# Altium PCB Archimajor.PcbDoc (part 3 of 12) (continued)
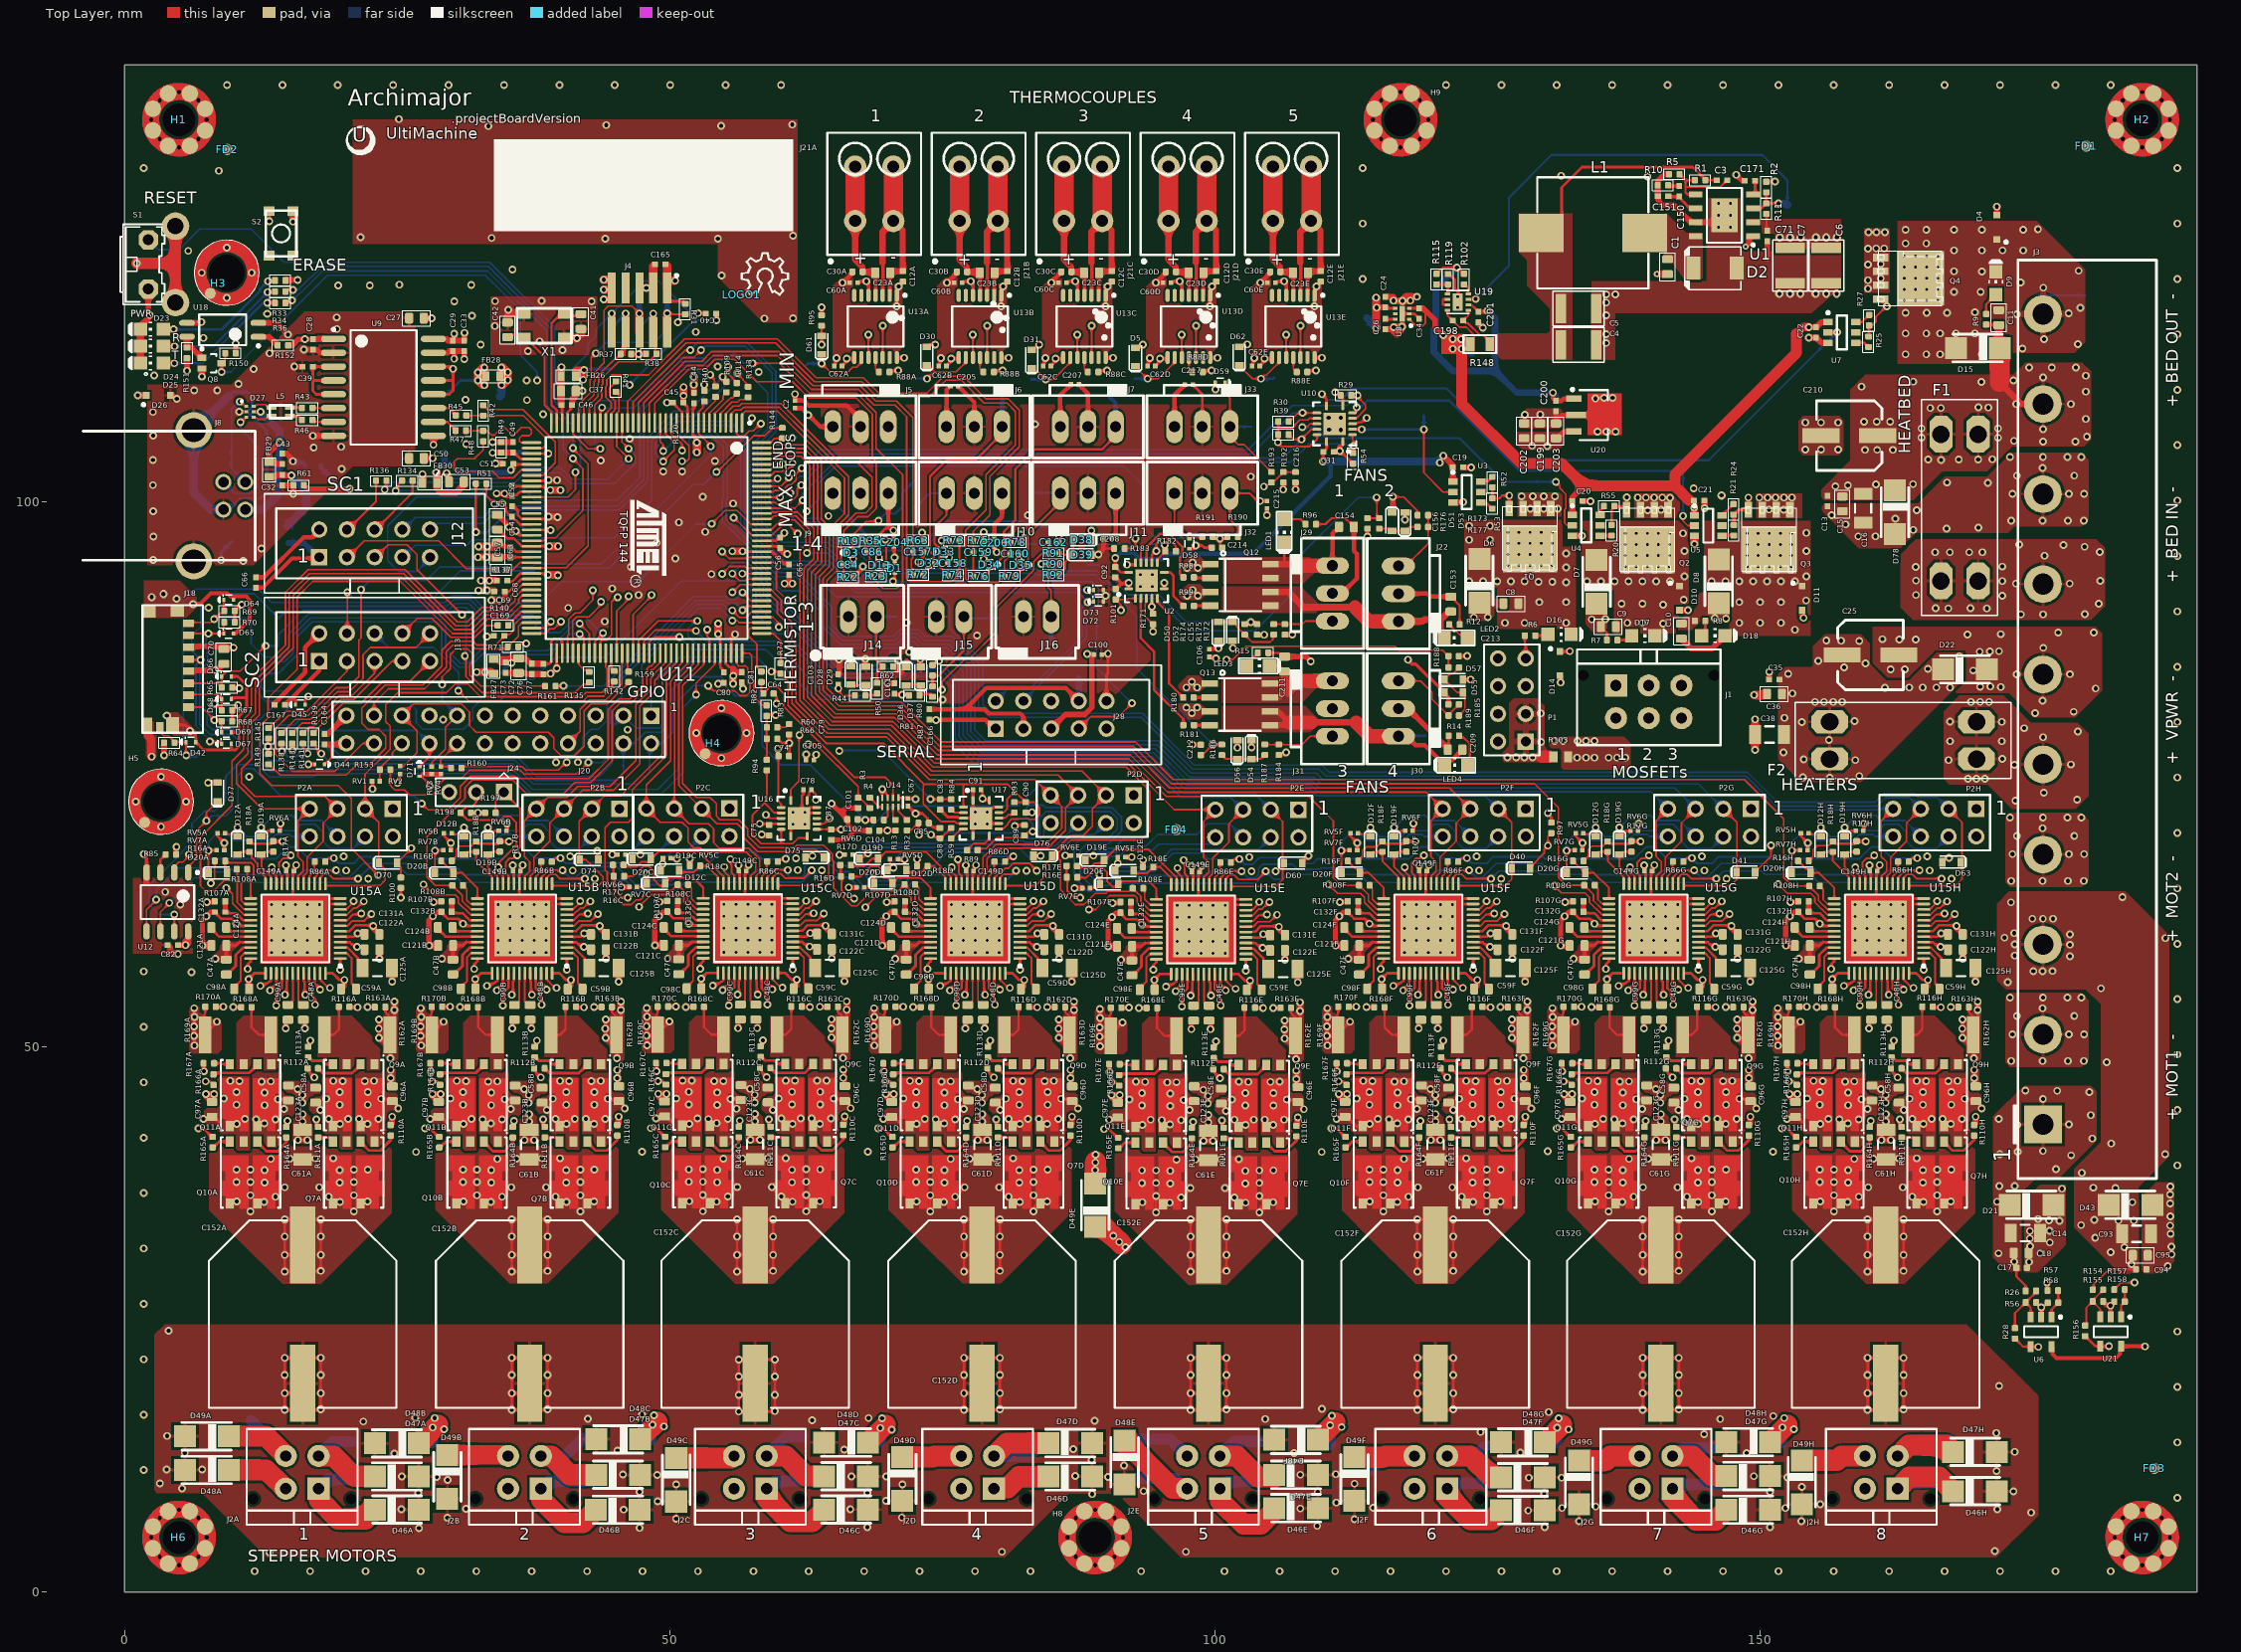
[diagram p0: Top Layer view]
## Part data (continued)
R148: library part "0.01R 1% 0805", "RES 0.01 OHM 1% 1/2W 0805", Manufacturer=Susumu, MANUFACTURER #=KRL1220E-M-R010-F-T5, TOLERANCE=1%, DISTRIBUTOR=Digikey, DISTRIBUTOR #=408-1544-2-ND, EE_SPEC=0.5W, PART=KRL1220E-M-R010-F-T5, PART DESCRIPTION="10 mOhms ±1% 0.5W, 1/2W Chip Resistor 0805 (2012 Metric) Automotive AEC-Q200, Current Sense Metal Foil"
R162A R162B R162C R162D R162E R162F R162G R162H: library part "0.1R 1% 1206", "RES 0.05 OHM 1% 2W 2512", Manufacturer=Stackpole, MANUFACTURER #=CSRN2512FK50L0, TOLERANCE="+/- 1%", EE_SPEC="0.05R 1% 2512", PART=CSRN2512FK50L0, PART DESCRIPTION="50 mOhms ±1% 2W Chip Resistor 2512 (6432 Metric) Current Sense Thick Film"
R169A R169B R169C R169D R169E R169F R169G R169H: library part "0.05R 1% 2512", "RES 0.05 OHM 1% 2W 2512", Manufacturer=Stackpole, MANUFACTURER #=CSRN2512FK50L0, TOLERANCE="+/- 1%", EE_SPEC="0.05R 1% 2512", PART=CSRN2512FK50L0, PART DESCRIPTION="50 mOhms ±1% 2W Chip Resistor 2512 (6432 Metric) Current Sense Thick Film"
R172 R173 R184 R185: library part RC0402FR-071K8L, "RES SMD 1.8K OHM 1% 1/16W 0402", Manufacturer=Yageo, TOLERANCE="+/- 1%", DISTRIBUTOR=Digi-Key, DISTRIBUTOR #=311-1.80KLRTR-ND, EE_SPEC="1.8k 1% 0402", MANUFACTURER #=RC0402FR-071K8L, PART=RC0402FR-071K8L, PART DESCRIPTION="1.8k Ohm ±1% 0.063W, 1/16W Chip Resistor 0402 (1005 Metric) Moisture Resistant Thick Film"
R174 R175 R176 R177 R186 R187 R188 R189: library part RC0402FR-071KL, "RES SMD 1K OHM 1% 1/16W 0402", Manufacturer=Yageo, TOLERANCE="+/- 1%", DISTRIBUTOR=Digi-Key, DISTRIBUTOR #=311-1.00KLRTR-ND, EE_SPEC="1k 1% 0402", MANUFACTURER #=RC0402FR-071KL, PART=RC0402FR-071KL, PART DESCRIPTION="1k Ohm ±1% 0.063W, 1/16W Chip Resistor 0402 (1005 Metric) Moisture Resistant Thick Film"
RV1 RV2 RV3 RV4 RV5A RV5B RV5C RV5D RV5E RV5F RV5G RV5H RV6A RV6B RV6C RV6D RV6E RV6F RV6G RV6H RV7A RV7B RV7C RV7D RV7E RV7F RV7G RV7H: "VARISTOR 6.8V 10A 0201", Manufacturer=TDK, TOLERANCE=-NA-, EE_SPEC="3.5Vso 100pF", MANUFACTURER #=AVRM0603C6R8NT101N, PART=AVRM0603C6R8NT101N, PART DESCRIPTION="VARISTOR 6.8V 10A 0201"
S1: "SWTCH Momentary Washable", Manufacturer=TE, TOLERANCE=-NA-, DISTRIBUTOR=Mouser, DISTRIBUTOR #=506-1571610-2, EE_SPEC=24V, MANUFACTURER #=1571610-2, PART=1571610-2, PART DESCRIPTION="Tactile Switches R/A SEALED TACT SWITCH"
S2: "SWITCH TACTILE SPST-NO 0.05A 12V", Manufacturer=C&K, TOLERANCE=-NA-, DISTRIBUTOR="Digi-Key Electronics", DISTRIBUTOR #=CKN10688TR-ND, EE_SPEC="32V 50mA", MANUFACTURER #="KMR741NG ULC LFS", PART="KMR741NG ULC LFS", PART DESCRIPTION="Tactile Switch SPST-NO Top Actuated Surface Mount"
TP1 TP2 TP4 TP7 TP8 TP17 TP18 TP69: "Test Point"
TP3A TP3B TP3C TP3D TP3E TP3F TP3G TP3H TP5 TP6 TP9 TP10 TP11A TP11B TP11C TP11D TP11E TP12A TP12B TP12C TP12D TP12E TP12F TP12G TP12H TP13 TP14 TP15 TP16 TP19 TP20 TP21 TP22 TP23A TP23B TP23C TP23D TP23E TP24A TP24B TP24C TP24D TP24E TP25 TP26 TP27 TP29 TP30 TP31 TP32 TP33 TP34A TP34B TP34C TP34D TP34E TP34F TP34G TP34H TP35 TP36 TP37 TP38 TP39 TP40 TP41A TP41B TP41C TP41D TP41E TP41F TP41G TP41H TP43 TP44 TP46 TP47 TP48 TP49 TP50 TP51 TP52 TP53 TP54 TP55 TP56 TP58 TP59 TP60 TP61 TP62 TP63 TP64 TP65 TP66 TP67 TP74 TP75 TP76 TP77 TP78 TP79 TP80 TP81 TP82 TP101 TP106 TP107 TP108 TP128 TP129 TP130 TP131: library part Socket, "Socket", MANUFACTURER #=NOTAPART-Testpoint, PART=NOTAPART-Testpoint
U1: "IC REG BUCK ADJ 5A 8SOPWRPAD", Manufacturer=TI, MANUFACTURER #=TPS54531DDAR, DISTRIBUTOR=Digikey, DISTRIBUTOR #=296-40801-2-ND, EE_SPEC="28Vin_max, 5A, 570kHz", PART=TPS54531DDAR, PART DESCRIPTION="Buck Switching Regulator IC Positive Adjustable 0.8V 1 Output 5A 8-PowerSOIC (0.154\", 3.90mm Width)"
U2 U10: library part SN74AHCT125, "Quadruple Bus Buffer Gates With 3-State Outputs 14-VQFN -40 to 125", Manufacturer="Texas Instruments", TOLERANCE=-NA-, DISTRIBUTOR #=296-13910-2-ND, EE_SPEC="5V 8mA", MANUFACTURER #=SN74AHCT125RGYR, PART=SN74AHCT125RGYR, PART DESCRIPTION="Buffer, Non-Inverting 4 Element 1 Bit per Element Push-Pull Output 14-VQFN (3.5x3.5)"
  U2: DISTRIBUTOR=Digikey
  U10: DISTRIBUTOR="Digi-Key Electronics"
U3 U4 U5 U7: "MOSFET DRVR 3A 1-OUT High Speed Non-Inv6-Pin SOT-26 T/R", Manufacturer="Diodes Incorporated", MANUFACTURER #=ZXGD3009E6TA, TOLERANCE=-NA-, DISTRIBUTOR="Digi-Key Electronics", DISTRIBUTOR #=ZXGD3009E6TADITR-ND, EE_SPEC="40V 2A", PART=ZXGD3009E6TA, PART DESCRIPTION="Low-Side Gate Driver IC Non-Inverting SOT-26"
U6 U21: "IC QUAD DIFF COMPARATOR 14 -SOIC", Manufacturer="TEXAS INSTRUMENTS", MANUFACTURER #=AP331AWG-7, DISTRIBUTOR=DIGI-KEY, DISTRIBUTOR #=AP331AWGDITR-ND, PART=AP331AWG-7
U8: "LDO 3.3V 500mA - low ESR Cout", Manufacturer=Microchip, TOLERANCE=-NA-, DISTRIBUTOR="Digi-Key Electronics", DISTRIBUTOR #=576-3680-2-ND, EE_SPEC=500mA, MANUFACTURER #=MIC5353-3.3YMT-TR, PART=MIC5353-3.3YMT-TR, PART DESCRIPTION="Linear Voltage Regulator IC Positive Fixed 1 Output 3.3V 500mA 6-TMLF® (1.6x1.6)"
U9: library part ADuM4160, "USB Opto Isolator", Manufacturer="Analog Devices", MANUFACTURER #=ADUM3160BRWZ-RL, TOLERANCE=-NA-, DISTRIBUTOR="Digi-Key Electronics", DISTRIBUTOR #=ADUM3160BRWZ-RLTR-ND, EE_SPEC="2500V ISO", PART=ADUM3160BRWZ-RL, PART DESCRIPTION="USB Digital Isolator 2500Vrms 2 Channel 12Mbps 25kV/µs CMTI 16-SOIC (0.295\", 7.50mm Width)"
U11: library part ATML-ATSAM3X-LQFP-144, "Atmel", TOLERANCE=-NA-, DISTRIBUTOR="Digi-Key Electronics", DISTRIBUTOR #=ATSAM3X8EA-AU-ND, EE_SPEC=3.3V, Manufacturer=Atmel, MANUFACTURER #=ATSAM3X8EA-AU, PART=ATSAM3X8EA-AU, PART DESCRIPTION="ARM® Cortex®-M3 SAM3X Microcontroller IC 32-Bit 84MHz 512KB (512K x 8) FLASH 144-LQFP (20x20)"
U12: "IC FLASH 16M SPI 104MHZ 8SOIC", Manufacturer=Adesto, TOLERANCE=-NA-, EE_SPEC=3.3V, MANUFACTURER #=AT25SF161-SSHD-T, PART=AT25SF161-SSHD-T, PART DESCRIPTION="IC FLASH 16M SPI 104MHZ 8SOIC"
U13A U13B U13C U13D U13E: library part MAX31856, "IC CONV THERMOCOUPLE 14TSSOP", Manufacturer=Maxim, VOLTAGE=3.3V, MANUFACTURER #=MAX31856MUD, PART=MAX31856MUD
U14: "Clock Fanout Buffer (Distribution) IC 1:4  8-XFDFN", Manufacturer=Nexperia, MANUFACTURER #=74AVC9112GTX, TOLERANCE=-NA-, DISTRIBUTOR=Digikey, DISTRIBUTOR #=296-4708-2-ND, EE_SPEC="Clock Buffer 1:4 3.6V", PART=74AVC9112GTX, PART DESCRIPTION="Clock Fanout Buffer (Distribution) IC 1:4  8-XFDFN"
U15A U15B U15C U15D U15E U15F U15G U15H: "IC STEPPER MOTOR DVR TQFP48-EP", Manufacturer=Trinamic, EE_SPEC="60V 1/256 Step", MANUFACTURER #=TMC5160-TA, PART DESCRIPTION="IC STEPPER MOTOR DVR TQFP48-EP"
U16 U17: "IC BUS BUFF TRI-ST QD 14VQFN", Manufacturer=TI, MANUFACTURER #=SN74LVC125ARGYR, TOLERANCE=-NA-, DISTRIBUTOR=Digikey, DISTRIBUTOR #=296-13961-2-ND, EE_SPEC="1.65-3.6Vcc, 5V tolerant inputs", PART=SN74LVC125ARGYR, PART DESCRIPTION="Buffer, Non-Inverting 4 Element 1 Bit per Element Push-Pull Output 14-VQFN (3.5x3.5)"
U18: library part "OPTO SO-4 OPNDRN OUT", "Optoisolator Transistor Output 3750Vrms 1 Channel 4-SO", Manufacturer=TOSHIBA, MANUFACTURER #=TLP293(TPL,E, TOLERANCE=-NA-, DISTRIBUTOR="Digi-Key Electronics", DISTRIBUTOR #=TLP293(TPLETR-ND, EE_SPEC="3.75kV Isolation", PART=TLP293(TPL,E, PART DESCRIPTION="Optoisolator Transistor Output 3750Vrms 1 Channel 4-SO"
U19: library part INA381_ALT, "IC COMPARATOR BIDIR 8WSON", Manufacturer=TI, TOLERANCE=-NA-, DISTRIBUTOR=Digikey, DISTRIBUTOR #=296-49078-2-ND, EE_SPEC="Vcc 2.7-5.5V; Vcm 26V", MANUFACTURER #=INA381A2IDSGR, PART=INA381A2IDSGR
U20: "IC REG LINEAR 5V 100MA SOT89-3", Manufacturer=ST, MANUFACTURER #=L78L05ABUTR, TOLERANCE=-NA-, DISTRIBUTOR=Digikey, DISTRIBUTOR #=497-1181-2-ND, EE_SPEC="Vin 30V, Iout 0.1A", PART=L78L05ABUTR, PART DESCRIPTION="Linear Voltage Regulator IC Positive Fixed 1 Output 5V 100mA SOT-89-3"
X1: library part 405C35B12M00000, "Crystal 12MHz ±30ppm (Tol) ±50ppm (Stability) 13pF FUND 50Ohm", Manufacturer=CTS, TOLERANCE="+/- 30ppm", DISTRIBUTOR="Digi-Key Electronics", DISTRIBUTOR #=CTX639TR-ND, EE_SPEC=-NA-, MANUFACTURER #=405C35B12M00000, PART=405C35B12M00000, PART DESCRIPTION="12MHz ±30ppm Crystal 13pF 60 Ohm -20°C ~ 70°C Surface Mount 4-SMD, No Lead (DFN, LCC)"

## Via types
v1: diameter 0.711, hole 0.381, Top Layer to Bottom Layer, tented both sides, 2418 vias
v2: diameter 0.559, hole 0.254, Top Layer to Bottom Layer, 302 vias
v3: diameter 0.711, hole 0.381, Top Layer to Bottom Layer, 113 vias
v4: diameter 0.737, hole 0.381, Top Layer to Bottom Layer, tented both sides, 16 vias
v5: diameter 0.762, hole 0.381, Top Layer to Bottom Layer, 16 vias

## Nets (pads, with @x,y where several pads share a name; then routed paths per layer and width w, separated by ;. In a path a pad name is that pad's centre, name@x,y a point inside that pad or via, vN(x,y) a via of type N, cw(c..) or ccw(c..) an arc to the next point about the centre after c; other vN are vias at no path point)
3.3VCC: C2.2 C24.1 C29.1 C33.1 C54.1 C57.2 C60A.2 C60B.2 C60C.2 C60D.2 C60E.2 C62A.2 C62B.2 C62C.2 C62D.2 C62E.2 C63.1 C67.2 C70.2 C78.2 C82.1 C91.2 C100.2 C105.2 C106.2 C149A.2 C149B.2 C149C.2 C149D.2 C149E.2 C149F.2 C149G.2 C149H.2 C164.1 C165.2 C204.2 C205.2 C206.2 C207.2 C208.2 C215.2 C217.2 D28.K D36.K D38.K D44.K D50.K D51.K D54.K D55.K FB27.1 FB28.2 FB30.1 J4.1 J5.3 J6.3 J7.3 J9.3 J10.3 J11.3 J18.4 J20.24 J28.5 J32.3 J33.3 R16A.2 R16B.2 R16C.2 R16D.2 R16E.2 R16F.2 R16G.2 R16H.2 R17A.1 R17B.1 R17C.1 R17D.1 R17E.1 R17F.1 R17G.1 R17H.1 R18A.2 R18B.2 R18C.2 R18D.2 R18E.2 R18F.2 R18G.2 R18H.2 R22.2 R31.2 R33.2 R35.2 R37.2 R38.2 R51.2 R62.2 R63.2 R64.2 R65.1 R67.2 R68.2 R69.1 R70.1 R73.2 R75.2 R78.2 R80.2 R85.2 R90.2 R95.1 R97.1 R100.1 R172.2 R173.2 R184.2 R185.2 R190.2 R192.2 R197.2 R198.2 S2.1 TP47.1 TP129.1 U8.4 U9.12 U9.13 U9.14 U9.16 U11.52 U11.57 U12.8 U13A.5 U13A.8 U13B.5 U13B.8 U13C.5 U13C.8 U13D.5 U13D.8 U13E.5 U13E.8 U14.1 U15A.20 U15B.20 U15C.20 U15D.20 U15E.20 U15F.20 U15G.20 U15H.20 U16.14 U17.14 | length 231.8
  Top Layer w0.152: v1(7.929,64.977) 7.929,65.075 8.274,65.42 8.274,67.034 R16A.2@8.272,67.035 ; R16B.2@30.013,67.035 30.013,67.042 30.235,67.264 30.241,67.264 30.414,67.437 30.414,68.067 30.723,68.376 31.78,68.376 32.009,68.604 32.009,68.611 32.231,68.833 R18B.2@32.237,68.833 ; R16F.2@113.113,67.035 113.113,67.068 113.514,67.47 113.514,67.973 113.868,68.326 114.83,68.326 115.109,68.604 115.109,68.611 115.331,68.833 R18F.2@115.337,68.833 ; v1(116.293,100.409) 117.293,100.409 118.524,99.179 118.524,98.771 R173.2@118.56,98.734 ; R16G.2@133.763,67.035 133.763,67.042 133.985,67.264 133.991,67.264 134.198,67.471 134.198,68.051 134.548,68.401 135.556,68.401 135.759,68.604 135.759,68.611 135.981,68.833 R18G.2@135.988,68.833 ; R16H.2@154.413,67.035 154.413,67.042 154.635,67.264 154.642,67.264 154.823,67.445 154.823,68.026 155.223,68.426 156.231,68.426 156.409,68.604 156.409,68.611 156.632,68.833 R18H.2@156.638,68.833
  Top Layer w0.178: v1(25.343,63.659) R100.1@25.343,64.554 ; R17C.1@44.827,66.682 44.827,65.656 R16C.2@44.85,65.633 ; R16C.2@44.91,65.633 44.91,64.366 45.6,63.676 v1(46.148,63.676) ; v1@51.825,67.177 51.843,67.194 v1(51.843,67.219) ; U16.14@62.593,72.565 62.593,72.853 62.644,72.904 62.644,72.948 62.77,73.074 62.77,73.361 C78.2@62.968,73.559 63.393,73.134 v1@63.393,72.634 ; R17D.1@65.67,66.658 65.67,65.631 R16D.2@65.692,65.608 ; R16D.2@65.752,65.608 65.752,64.342 66.522,63.572 v1(66.901,63.572) ; U14.1@70.968,72.817 71.785,72.817 C67.2@71.843,72.759 72.499,72.759 v1(72.549,72.709) ; v1@72.667,67.152 72.685,67.17 v1(72.685,67.195) ; C91.2@78.518,73.559 78.639,73.438 78.639,73.362 78.667,73.334 v1(78.667,72.734) 78.827,72.734 78.971,72.591 U17.14@79.3,72.591 ; R17E.1@86.377,66.582 86.377,65.556 R16E.2@86.4,65.533 ; R16E.2@86.46,65.533 86.46,64.266 87.05,63.676 v1(87.623,63.676) ; v1@93.375,67.077 93.393,67.094 v1(93.393,67.119)
  Top Layer w0.203: R65.1@9.878,82.931 R65.1@9.954,82.855 ; R68.2@9.881,79.832 R67.2@9.881,80.848 10.338,81.306 v1(10.414,81.306) ; R70.1@10.107,88.926 R69.1@10.107,89.967 ; D44.K@18.347,75.886 18.972,76.511 18.972,77.72 ; R51.2@33.172,101.613 33.172,100.521 v1(33.934,99.759) ; v1(34.646,99.797) 34.646,99.767 34.98,99.433 34.98,99.129 35.027,99.083 35.027,99.005 C54.1@35.56,98.471 ; J4.1@49.759,119.579 49.759,119.301 J4.1@49.879,119.181 ; R190.2@102.072,96.756 102.072,97.631 101.355,98.347 J32.3@101.355,100.75 103.152,100.75 103.86,100.042 C215.2@104.743,100.042
  Top Layer w0.229: R18A.2@11.462,68.833 11.695,68.6 13.405,68.6 13.637,68.833 13.648,68.822 v1(14.478,68.822) ; v1(14.82,66.629) 14.837,66.613 C149A.2@14.837,66.1 ; U15A.20@14.932,64.935 C149A.2@14.932,66.18 ; R18B.2@32.237,68.833 32.47,68.6 34.18,68.6 34.412,68.833 34.423,68.822 v1(35.253,68.822) ; C63.1@35.397,95.891 35.901,95.388 U11.57@37.329,95.388 ; C54.1@35.535,98.573 35.839,98.268 35.896,98.268 36.277,97.888 U11.52@37.329,97.888 ; v1(35.595,66.629) 35.612,66.613 C149B.2@35.612,66.1 ; U15B.20@35.707,64.935 C149B.2@35.707,66.18 ; R16C.2@44.85,65.633 R16C.2@44.89,65.593 ; v1(56.303,66.654) 56.32,66.637 C149C.2@56.32,66.125 ; U15C.20@56.415,64.96 C149C.2@56.415,66.205 ; R16D.2@65.692,65.608 R16D.2@65.732,65.569 ; v1(77.145,66.629) 77.162,66.613 C149D.2@77.162,66.1 ; U15D.20@77.257,64.935 C149D.2@77.257,66.18 ; R16E.2@86.4,65.533 R16E.2@86.44,65.493 ; v1(97.853,66.554) 97.87,66.537 C149E.2@97.87,66.025 ; U15E.20@97.965,64.86 C149E.2@97.965,66.105 ; R18F.2@115.337,68.833 115.57,68.6 117.28,68.6 117.512,68.833 117.523,68.822 v1(118.353,68.822) ; v1(118.695,66.629) 118.712,66.613 C149F.2@118.712,66.1 ; U15F.20@118.807,64.935 C149F.2@118.807,66.18 ; R18G.2@135.988,68.833 136.22,68.6 137.93,68.6 138.163,68.833 138.174,68.822 v1(139.003,68.822) ; v1(139.346,66.629) 139.363,66.613 C149G.2@139.363,66.1 ; U15G.20@139.458,64.935 C149G.2@139.458,66.18 ; R18H.2@156.638,68.833 156.87,68.6 158.58,68.6 158.813,68.833 158.824,68.822 v1(159.653,68.822) ; v1(159.996,66.629) 160.013,66.613 C149H.2@160.013,66.1 ; U15H.20@160.108,64.935 C149H.2@160.108,66.18
  Top Layer w0.254: R69.1@10.109,89.967 10.673,90.53 v1(10.74,90.53) ; U9.12@28.324,109.818 29.778,109.818 30.121,110.16 30.121,111.055 ; U9.13@28.324,111.088 30.088,111.088 30.121,111.055 ; U9.14@28.324,112.358 29.924,112.358 v1(30.121,112.161) 30.121,111.055 ; R198.2@31.782,71.44 v1(32.4,71.44) R197.2@33.067,71.44 ; U11.57@37.329,95.388 U11.57@37.555,95.388 ; J4.1@49.621,118.346 51.198,118.346 R31.2@51.423,118.121 ; R95.1@63.915,117.064 v1(63.915,117.784) ; C62A.2@65.79,112.409 66.215,112.834 v1(66.215,113.084) 66.81,113.084 U13A.8@66.915,113.189 ; C60A.2@67.208,120.052 67.335,120.179 v1(68.021,120.179) 68.215,119.985 U13A.5@68.215,118.889 ; R35.2@68.897,96.396 69.049,96.549 69.049,96.788 69.535,97.274 69.542,97.274 70.028,97.76 ; C62B.2@75.366,112.409 75.791,112.834 v1(75.791,113.084) 76.386,113.084 U13B.8@76.491,113.189 ; C60B.2@76.784,120.052 76.911,120.179 v1(77.597,120.179) 77.791,119.985 U13B.5@77.791,118.889 ; C62C.2@84.941,112.409 85.366,112.834 v1(85.366,113.084) 85.962,113.084 U13C.8@86.066,113.189 ; C60C.2@86.36,120.052 86.487,120.179 v1(87.173,120.179) 87.366,119.985 U13C.5@87.366,118.889 ; C62D.2@94.517,112.409 94.942,112.834 v1(94.942,113.084) 95.538,113.084 U13D.8@95.642,113.189 ; C60D.2@95.936,120.052 96.063,120.179 v1(96.748,120.179) 96.942,119.985 U13D.5@96.942,118.889 ; C62E.2@104.093,112.409 104.518,112.834 v1(104.518,113.084) 105.113,113.084 U13E.8@105.218,113.189 ; C60E.2@105.511,120.052 105.638,120.179 v1(106.324,120.179) 106.518,119.985 U13E.5@106.518,118.889 ; v1(106.243,101.084) 106.255,101.097 106.255,101.689 106.243,101.702 R192.2@106.268,101.727 ; C24.1@115.617,117.806 115.718,117.705 U8.4@116.502,117.705 ; v1(130.518,71.409) 130.518,71.359 130.818,71.059 R97.1@130.818,70.539
  Top Layer w0.305: C105.2@63.193,76.259 63.202,76.269 63.202,76.419 63.381,76.597 63.381,76.785 v1(63.416,76.785) ; R80.2@74.082,84.989 74.209,85.116 74.289,85.116 74.558,85.384 v3(74.668,85.384) ; v3@74.964,96.525 74.931,96.492 v3(74.931,96.407) 75.51,96.407 75.557,96.454 R73.2@75.589,96.421 ; C106.2@99.468,86.434 99.518,86.484 100.243,86.484 v1(100.293,86.534) ; v1(103.331,77.447) D54.K@103.331,78.084 ; R184.2@105.831,76.74 105.888,76.797 106.33,76.797 v1(106.518,76.984) ; v1(117.668,85.484) 118.068,85.084 118.39,85.084 120.742,82.732 120.87,82.732 121.018,82.584 D55.K@121.018,82.484 121.018,82.384 121.165,82.237 121.211,82.237 121.389,82.058 R185.2@121.389,81.384
  Top Layer w0.381: C57.2@34.188,96.254 34.552,95.891 C63.1@35.397,95.891 ; R22.2@66.821,93.054 66.838,93.054 67.693,93.909 v1(67.693,94.034) ; R62.2@70.476,84.95 71.135,84.291 71.343,84.291 70.928,84.706 v3(70.928,85.404) ; D36.K@71.717,84.861 71.717,85.429 ; R75.2@78.784,96.412 v3(78.784,97.192) ; v1(82.179,96.956) 82.179,96.261 R78.2@82.182,96.258
  Top Layer w0.406: R85.2@4.739,67.62 4.751,67.632 4.751,68.297 v1(4.763,68.309) ; R65.1@9.954,82.855 v3(10.516,82.855) ; R18C.2@51.825,66.584 v1@51.825,67.177 ; C2.2@61.471,108.552 62.1,108.552 63.807,106.846 J5.3@64.948,106.846 ; J9.3@70.028,100.75 70.028,97.76 70.557,97.231 C204.2@70.557,96.581 ; R18D.2@72.667,66.56 v1@72.667,67.152 ; v3(73.118,97.134) 73.238,97.134 73.251,97.122 R63.2@73.251,96.429 ; J6.3@75.374,106.846 75.374,110.231 C205.2@75.725,110.581 ; C206.2@79.757,96.531 79.757,97.881 80.454,98.579 J10.3@80.454,100.75 J10.3@80.382,100.677 ; v1(84.057,94.256) R90.2@84.694,94.256 ; J7.3@85.801,106.846 85.801,109.732 C207.2@86.8,110.731 ; D38.K@88.657,96.456 v1(88.657,97.306) ; C208.2@90.475,96.61 90.881,97.016 J11.3@90.881,100.75 ; R18E.2@93.375,66.484 v1@93.375,67.077 ; J33.3@96.275,106.846 96.275,109.741 C217.2@97.243,110.709
  Top Layer w0.508: R64.2@3.633,77.881 3.633,76.737 v1(3.65,76.72) ; C82.1@4.931,59.316 v1@5.592,59.316 ; v1(5.592,59.314) v1@5.592,59.316 ; v1@5.842,59.476 v1@5.668,59.651 ; J18.4@5.89,84.426 5.971,84.507 v3@8.432,84.507 ; v3(8.306,84.531) 8.408,84.531 v3@8.432,84.507 ; C70.2@8.966,85.014 v3@8.46,84.507 ; R33.2@14.766,120.254 14.817,120.306 v1(15.878,120.306) ; v1(15.459,125.649) S2.1@15.459,126.618 ; C164.1@18.339,77.72 18.972,77.72 20.251,77.72 J20.24@20.345,77.814 ; U9.16@28.324,114.898 29.556,114.898 29.556,114.845 29.661,114.74 C29.1@30.127,114.74 ; C29.1@30.124,114.738 C29.1@30.127,114.74 ; v1(30.235,115.376) 30.235,114.848 C29.1@30.127,114.74 ; v1(31.174,115.453) 31.174,114.741 C33.1@31.175,114.74 C29.1@30.127,114.74 ; v1(33.934,99.759) 33.972,99.797 v1(34.646,99.797) ; R37.2@46.726,113.5 47.724,113.5 R38.2@47.747,113.524 ; v1@47.168,113.394 v1(47.168,113.497) ; C165.2@49.607,121.741 C165.2@49.759,121.59 ; D28.K@66.663,84.892 v3@66.663,85.515 ; J28.5@84.957,79.156 86.29,80.489 88.075,80.489 88.704,81.118 88.704,85.765 C100.2@88.883,85.943 ; v1(88.259,86.014) 88.27,86.003 88.823,86.003 C100.2@88.883,85.943 ; C100.2@88.899,85.959 C100.2@88.883,85.943 ; v1(100.293,86.534) D50.K@100.293,87.234 ; R172.2@106.393,87.777 v1(107.075,87.777) ; v1(114.805,117.773) 114.838,117.806 C24.1@115.617,117.806 ; D51.K@116.218,98.984 116.247,98.984 116.293,99.03 v1(116.293,100.409) ; v1@5.592,59.316 5.683,59.316 5.607,59.391 5.668,59.452 v1@5.668,59.651 ; v1@5.592,59.316 5.592,59.696 5.607,59.711 ; 5.607,59.711 5.668,59.771 v1@5.668,59.651 ; 5.607,59.711 v1@5.668,59.651 ; v3@8.432,84.507 v3@8.46,84.507 ; v3@8.432,84.507 8.446,84.494 v3@8.46,84.507
  Top Layer w0.559: U9.13@28.324,111.088 U9.13@28.349,111.062
  Top Layer w0.584: U12.8@5.839,60.567 U12.8@5.842,60.571 v1@5.842,59.476
  Top Layer w0.711: v1(27.328,102.502) 27.328,101.696 FB30.1@27.332,101.691 ; v1(32.301,84.34) v1@32.915,84.34 ; v1@32.487,95.848 v1(33.249,95.848) 33.782,95.848 ; v1(33.013,110.652) v1@32.988,110.678 ; J4.1@49.759,120.245 49.765,120.251 49.79,120.226 v1(50.487,120.226) ; v1(114.772,118.685) v1@114.772,117.74 ; v1(114.805,117.773) v1@114.772,117.74 ; v1@32.988,110.678 v1(32.988,112.278) 32.861,112.278 v1(32.404,111.821) v1(32.404,111.084) 32.81,110.678 v1@32.988,110.678 ; v1@114.772,117.74 114.772,115.848 114.767,115.852 v1(114.767,115.894) 114.767,117.736 v1@114.772,117.74
  Top Layer w0.762: v1@32.915,84.34 32.916,84.341 v1(33.077,84.341) 33.605,84.341 FB27.1@33.704,84.242 ; 33.782,95.848 C57.2@34.188,96.254 ; J4.1@49.758,120.246 49.758,121.46 ; J4.1@49.759,119.579 J4.1@49.759,120.245 ; 49.759,121.461 C165.2@49.759,121.59
  Mid1 w0.152: v1@7.855,65.051 v1(7.929,64.977)
  Mid1 w0.178: v1(78.667,72.734) 78.669,72.734 v1@78.768,72.635
  Mid1 w0.229: v1(14.82,66.629) v1@14.862,66.671 ; v1(35.595,66.629) v1@35.637,66.671 ; v1(56.303,66.654) v1@56.345,66.696 ; v1(77.145,66.629) v1@77.187,66.671 ; v1(97.853,66.554) v1@97.895,66.596 ; v1(118.695,66.629) v1@118.737,66.671 ; v1(139.346,66.629) v1@139.388,66.671 ; v1(159.996,66.629) v1@160.038,66.671
  Mid1 w0.305: v1@63.391,76.809 v1(63.416,76.785)
  Mid1 w0.508: v1@88.248,86.014 v1(88.259,86.014)
  Bottom Layer w0.254: TP129.1@29.337,109.601 30.82,111.084 v1(32.404,111.084)
  Bottom Layer w0.711: TP47.1@113.929,116.808 114.767,115.97 v1(114.767,115.894)
  other v1: 63.391,72.634 32.461,95.848 70.505,97.338 104.118,100.034 62.69,107.912
  other v3: 66.643,85.509 71.954,86.179
3.3VIO: C40.2 C45.1 C56.1 C69.1 C81.1 FB28.1 R40.1 R71.1 TP128.1 U11.11 U11.62 U11.105 U11.125 | length 33.3
  Top Layer w0.203: R71.1@36.092,86.656 36.417,86.981 v1(36.832,86.981) ; v1@51.25,109.683 v1(51.257,109.691) ; C40.2@54.238,117.235 54.278,117.194 v1(54.278,116.601)
  Top Layer w0.229: C69.1@35.006,91.715 35.247,91.715 36.42,92.888 U11.62@37.329,92.888 ; C45.1@51.333,108.929 51.629,108.633 U11.11@51.629,107.188 ; U11.105@55.129,86.088 55.129,85.099 55.327,84.901 55.347,84.901 55.437,84.811 55.84,84.811 56.234,84.418 ; 55.785,84.644 55.825,84.684 ; U11.125@58.429,95.888 C56.1@60.156,95.888
  Top Layer w0.508: v1@33.928,90.936 34.581,90.936 34.905,91.26 C69.1@34.905,91.57 ; C45.1@51.25,109.144 v1@51.25,109.683 ; v1(53.155,110.708) 53.155,110.164 R40.1@53.188,110.132 ; v1@55.783,83.912 55.783,83.941 v1@55.785,83.943 ; 55.785,84.644 v1@55.785,83.943 ; v1(55.825,84.01) 55.825,83.983 v1@55.785,83.943 ; C81.1@56.591,84.359 56.201,84.359 v1@55.785,83.943 ; C56.1@60.124,95.721 60.261,95.583 60.261,95.501 60.598,95.164 v1(60.778,95.164)
  Top Layer w0.686: v1(55.8,83.285) v1@55.8,83.895
  Top Layer w0.711: v1(33.639,90.922) 34.354,90.922 v1(34.36,90.928) ; v1(34.569,110.656) v1@34.544,110.681 ; v1(51.257,109.691) v1(51.257,110.478) ; v1@55.825,83.954 v1(55.825,84.01) ; v1@34.544,110.681 v1(34.544,112.281) 34.722,112.281 v1(35.154,111.85) v1(35.154,111.113) 34.722,110.681 v1@34.544,110.681
  Bottom Layer w0.203: v1(46.314,110.672) 46.314,110.691 52.222,116.599 52.862,116.599 52.863,116.601 v1(54.278,116.601)
  Bottom Layer w0.711: TP128.1@34.417,109.601 34.569,109.754 v1(34.569,110.656)
5V0_AUX: C200.2 C201.2 R57.2 R102.2 R115.2 R157.2 TP7.TP U19.2 U20.1 | length 232.4
  Top Layer w0.152: U19.2@123.445,118.025 123.54,117.93 123.61,117.93 123.699,117.841 ; R157.2@182.435,27.732 182.435,27.755 183.047,28.367 v1@184.305,28.367
  Top Layer w0.203: R115.2@120.306,120.866 120.891,121.45 v3(122.161,121.45) 122.18,121.431 122.256,121.431 R102.2@122.821,120.866 ; U19.2@123.199,118.025 123.445,118.025 123.47,118.025 123.54,117.955 ; C201.2@124.129,117.386 C201.2@124.129,117.402 ; v1(176.281,28.372) 176.297,28.356 176.297,27.656 R57.2@176.314,27.639 ; C201.2@124.129,117.402 124.129,117.412 123.699,117.841 123.699,117.831 C201.2@124.129,117.402
  Top Layer w0.305: C201.2@124.129,117.386 124.891,117.386 v3(124.967,117.463)
  Top Layer w0.406: v1(130.975,109.969) 130.975,109.48 C200.2@131.224,109.231 131.783,109.231 131.958,109.406 U20.1@132.892,109.406
  Mid1 w0.203: v3(124.967,117.463) v3@125.218,117.463
  Mid1 w0.406: v3(122.161,121.45) v3@122.161,121.564
  Mid1 w0.61: v1(130.975,109.969) 127.193,113.751 127.193,120.114 124.38,122.927 124.38,128.712 128.144,132.476 147.302,132.476 150.503,129.276 150.503,128.976 150.631,128.848 150.631,126.909 151.225,126.315 153.048,126.315 155.891,129.158 175.893,129.158 185.159,119.892 185.159,29.226 v1(184.305,28.372) v1(176.281,28.372)
  Bottom Layer w0.406: v1(130.975,109.969) 130.975,109.902 131.664,109.213 TP7.TP@131.783,109.331
  Bottom Layer w0.61: v3(122.161,121.45) 120.228,119.518 120.228,115.917 120.052,115.741 120.052,113.694 121.796,111.95 125.657,111.95 ; v3(124.967,117.463) 125.657,116.773 125.657,111.95 ; v1(130.975,109.969) 127.638,109.969 125.657,111.95
+5VCC: C19.2 C20.2 C21.2 C22.1 C31.2 C34.1 C66.2 C92.2 C166.1 C167.2 C198.1 D45.K J12.1 J13.1 J28.3 J28.8 JP1.1 P2A.1 P2B.1 P2C.1 P2D.1 P2E.1 P2F.1 P2G.1 P2H.1 R148.2 R150.2 R151.2 TP4.TP TP36.1 U2.14 U3.1 U4.1 U5.1 U7.1 U8.1 U8.3 U10.14 U19.8 | length 482.7
  Top Layer w0.152: U19.8@121.299,117.525 121.299,117.049 C198.1@121.774,116.574 122.384,115.964 123.036,115.964 123.773,115.227 123.773,115.05 123.37,114.647 R148.2@123.37,114.416
  Top Layer w0.178: U8.1@117.802,116.705 118.385,116.122 119.046,116.122 119.275,116.351 119.275,117.24 118.809,117.705 118.8,117.715 C34.1@118.716,117.715 ; v3(122.545,114.866) v3@122.695,115.016
  Top Layer w0.203: 15.405,82.028 15.672,81.761 D45.K@15.672,81.361 ; v1(90.842,94.811) C92.2@90.843,93.984 90.863,93.984 91.04,93.807 91.04,93.787 91.339,93.488 U2.14@92.068,93.488 ; U4.1@132.742,98.751 U4.1@132.75,98.744
  Top Layer w0.254: v1(109.893,103.659) 109.893,104.539 C31.2@109.92,104.567 ; C31.2@109.965,104.567 110.211,104.812 U10.14@110.211,105.484 ; U8.3@117.802,117.705 118.707,117.705 C34.1@118.716,117.715
  Top Layer w0.305: U5.1@143.914,98.748 U5.1@143.935,98.727
  Top Layer w0.356: C66.2@12.04,92.096 12.708,92.096 13.03,92.419 13.03,92.449 15.362,94.781 J12.1@17.856,94.781
  Top Layer w0.381: R150.2@10.2,113.58 10.2,114.334 v3@10.24,114.374
  Top Layer w0.406: C167.2@14.708,81.331 15.405,82.028 17.856,84.479 J13.1@17.856,85.357 ; C166.1@73.794,80.935 77.068,80.935 ; J28.3@82.417,79.092 J28.3@82.417,79.156 82.417,80.259 82.137,80.54 79.268,80.54 78.873,80.935 77.068,80.935 ; J28.8@87.497,81.696 86.309,82.884 79.017,82.884 77.068,80.935
  Top Layer w0.508: R151.2@5.732,113.14 5.737,113.135 v3(5.737,111.976) ; C34.1@118.707,117.705 118.809,117.705 119.078,117.705 120.17,116.613 120.17,115.946 121.225,114.891 v4(121.77,114.891) ; v1(120.918,104.178) 121.767,103.329 121.767,103.115 121.771,103.111 C19.2@121.788,103.111 121.788,101.818 U3.1@121.795,101.811 ; U4.1@132.75,98.744 132.75,100.376 133.809,101.436 ; 143.426,100.118 143.719,100.118 143.744,100.093 143.91,100.093 C21.2@143.914,100.089 v1(143.914,99.403) U5.1@143.914,98.748 ; v1(154.421,115.977) C22.1@155.101,115.977 ; C22.1@155.104,115.973 155.574,116.443 U7.1@156.188,116.443
  Top Layer w0.762: 153.293,115.373 153.897,115.977 v1(154.421,115.977)
  Top Layer w1.016: v3(122.595,113.991) 122.595,108.967 128.095,103.467 131.778,103.467 133.809,101.436 142.129,101.436 142.801,100.763 142.801,100.743 143.426,100.118 ; 142.167,101.536 142.167,102.483 153.293,113.609 153.293,115.373
  Mid1 w0.178: 122.12,114.441 v3(122.545,114.866)
  Mid1 w0.203: v1(90.842,94.811) v1@90.842,94.909
  Mid1 w0.381: 10.203,113.651 v3(10.203,114.471)
  Mid1 w0.508: 10.09,113.574 10.096,113.58 10.106,113.59 ; 55.355,74.185 55.473,74.067 P2C.1@55.473,71.834
  Mid1 w0.61: 82.417,75.509 82.417,75.684 J28.3@82.417,79.156 ; J28.8@87.497,81.696 88.73,80.464 88.73,75.501 ; v3(122.595,113.991) 123.035,113.551
  Mid1 w0.66: P2A.1@24.605,71.81 25.975,73.18 25.975,75.87 ; P2B.1@45.38,71.81 45.38,74.14 45.425,74.185 ; P2E.1@107.638,71.734 107.638,73.286 108.937,74.584 ; 118.093,74.584 119.567,73.11 128.5,73.11 ; P2F.1@128.48,71.81 128.5,71.83 128.5,73.11 ; P2H.1@169.78,71.81 168.522,73.068 150.388,73.068 P2G.1@149.13,71.81 147.83,73.11 128.5,73.11
  Mid1 w0.762: v3(5.737,111.976) 5.737,112.017 7.3,113.58 10.096,113.58 10.931,113.58 14.358,117.007 14.358,120.572 15.096,121.31 26.25,121.31 29.175,118.385 29.175,105.645 29.25,105.57 29.25,105.01 30.75,103.51 30.75,94.46 29.217,92.927 19.787,92.927 19.71,92.927
  Mid1 w0.914: v3(121.77,113.991) v3(122.595,113.991) 122.595,114.816 v3(122.545,114.866) 121.795,114.866 v4(121.77,114.891) 121.77,114.777 v3(121.77,113.991)
  Mid1 w1.27: J13.1@17.856,85.357 16.18,87.034 16.18,89.32 19.787,92.927 ; J12.1@17.856,94.781 19.71,92.927
  Mid1 w1.524: v4@121.606,114.941 121.77,114.777 122.12,114.427
  Mid1 w1.626: v4@121.269,115.278 v4@121.483,115.064
  Mid1 w1.727: J13.1@17.856,85.357 11.6,79.101 11.6,76.935 14.075,74.46 18.375,74.46
  Mid1 w1.829: v4@121.483,115.064 v4@121.606,114.941
  Mid1 w2.032: 18.375,74.46 19.785,75.87 25.975,75.87 35.64,75.87 37.325,74.185 45.425,74.185 55.355,74.185 62.417,74.185 62.516,74.284 67.442,74.284 68.843,75.684 82.417,75.684 82.425,75.684
  Mid1 w3.048: 82.417,75.509 82.425,75.501 88.73,75.501 91.925,75.501 92.842,74.584 108.937,74.584 118.093,74.584 120.668,77.159 120.668,103.928 v1(120.918,104.178) 121.77,105.03 v3(121.77,113.991)
  Bottom Layer w0.406: v1(90.842,94.811) 91.301,95.269 92.565,95.269 93.136,94.699 95.257,94.699 95.743,95.184 103.443,95.184 110.568,102.309 110.568,103.659
  Bottom Layer w0.508: JP1.1@15,96.181 16.456,96.181 J12.1@17.856,94.781 ; J28.8@87.497,81.696 TP4.TP@87.497,83.784 ; v3(122.595,113.991) 122.634,113.952 122.988,113.952 123.389,113.551 TP36.1@123.595,113.551
  Bottom Layer w0.762: v1(109.893,103.659) 110.568,103.659 120.399,103.659 v1(120.918,104.178)
  other v1: 120.602,103.543
  other v4: 120.928,115.253
CA1A: C99A.1 U15A.42 | length 3.1
  Top Layer w0.178: C99A.1@14.987,53.83 15.067,53.83 15.432,54.195 U15A.42@15.432,56.735
CA1B: C99B.1 U15B.42 | length 3.1
  Top Layer w0.178: C99B.1@35.762,53.83 35.842,53.83 36.207,54.195 U15B.42@36.207,56.735
CA1C: C99C.1 U15C.42 | length 3.1
  Top Layer w0.178: C99C.1@56.47,53.855 56.55,53.855 56.915,54.22 U15C.42@56.915,56.76
CA1D: C99D.1 U15D.42 | length 3.1
  Top Layer w0.178: C99D.1@77.312,53.83 77.392,53.83 77.757,54.195 U15D.42@77.757,56.735
CA1E: C99E.1 U15E.42 | length 3.1
  Top Layer w0.178: C99E.1@98.02,53.755 98.1,53.755 98.465,54.12 U15E.42@98.465,56.66
CA1F: C99F.1 U15F.42 | length 3.1
  Top Layer w0.178: C99F.1@118.862,53.83 118.942,53.83 119.307,54.195 U15F.42@119.307,56.735
CA1G: C99G.1 U15G.42 | length 3.1
  Top Layer w0.178: C99G.1@139.513,53.83 139.593,53.83 139.958,54.195 U15G.42@139.958,56.735
CA1H: C99H.1 U15H.42 | length 3.1
  Top Layer w0.178: C99H.1@160.163,53.83 160.243,53.83 160.608,54.195 U15H.42@160.608,56.735
CA2A: C98A.1 U15A.35 | length 4.3
  Top Layer w0.178: C98A.1@10.087,55.275 10.087,55.45 10.648,56.011 10.648,58.233 11,58.585 U15A.35@11.582,58.585
CA2B: C98B.1 U15B.35 | length 4.3
  Top Layer w0.178: C98B.1@30.862,55.275 30.862,55.45 31.423,56.011 31.423,58.233 31.775,58.585 U15B.35@32.357,58.585
CA2C: C98C.1 U15C.35 | length 4.3
  Top Layer w0.178: C98C.1@51.57,55.3 51.57,55.475 52.131,56.035 52.131,58.258 52.482,58.61 U15C.35@53.065,58.61
CA2D: C98D.1 U15D.35 | length 4.3
  Top Layer w0.178: C98D.1@72.412,55.275 72.412,55.45 72.973,56.011 72.973,58.233 73.325,58.585 U15D.35@73.907,58.585
CA2E: C98E.1 U15E.35 | length 4.3
  Top Layer w0.178: C98E.1@93.12,55.2 93.12,55.375 93.68,55.935 93.68,58.158 94.032,58.51 U15E.35@94.615,58.51
CA2F: C98F.1 U15F.35 | length 4.3
  Top Layer w0.178: C98F.1@113.962,55.275 113.962,55.45 114.523,56.011 114.523,58.233 114.875,58.585 U15F.35@115.457,58.585
CA2G: C98G.1 U15G.35 | length 4.3
  Top Layer w0.178: C98G.1@134.613,55.275 134.613,55.45 135.173,56.011 135.173,58.233 135.525,58.585 U15G.35@136.108,58.585
CA2H: C98H.1 U15H.35 | length 4.3
  Top Layer w0.178: C98H.1@155.263,55.275 155.263,55.45 155.823,56.011 155.823,58.233 156.175,58.585 U15H.35@156.758,58.585
CB1A: C59A.1 U15A.2 | length 4.2
  Top Layer w0.178: U15A.2@19.782,58.585 20.376,58.585 20.815,58.146 20.815,55.83 21.229,55.417 C59A.1@21.229,55.284
CB1B: C59B.1 U15B.2 | length 4.2
  Top Layer w0.178: U15B.2@40.557,58.585 41.151,58.585 41.59,58.146 41.59,55.83 42.004,55.417 C59B.1@42.004,55.284